# Altium PCB Barrier_PCB.PcbDoc (part 2 of 2)
Units mil, origin at the board's own origin, x right, y up, seen from the top; angles counter-clockwise.
Board outline 4803.15 x 3444.88 mil, 2 copper layers (Top Layer, Bottom Layer); 116 components, 115 nets, 498 pads, 127 vias.
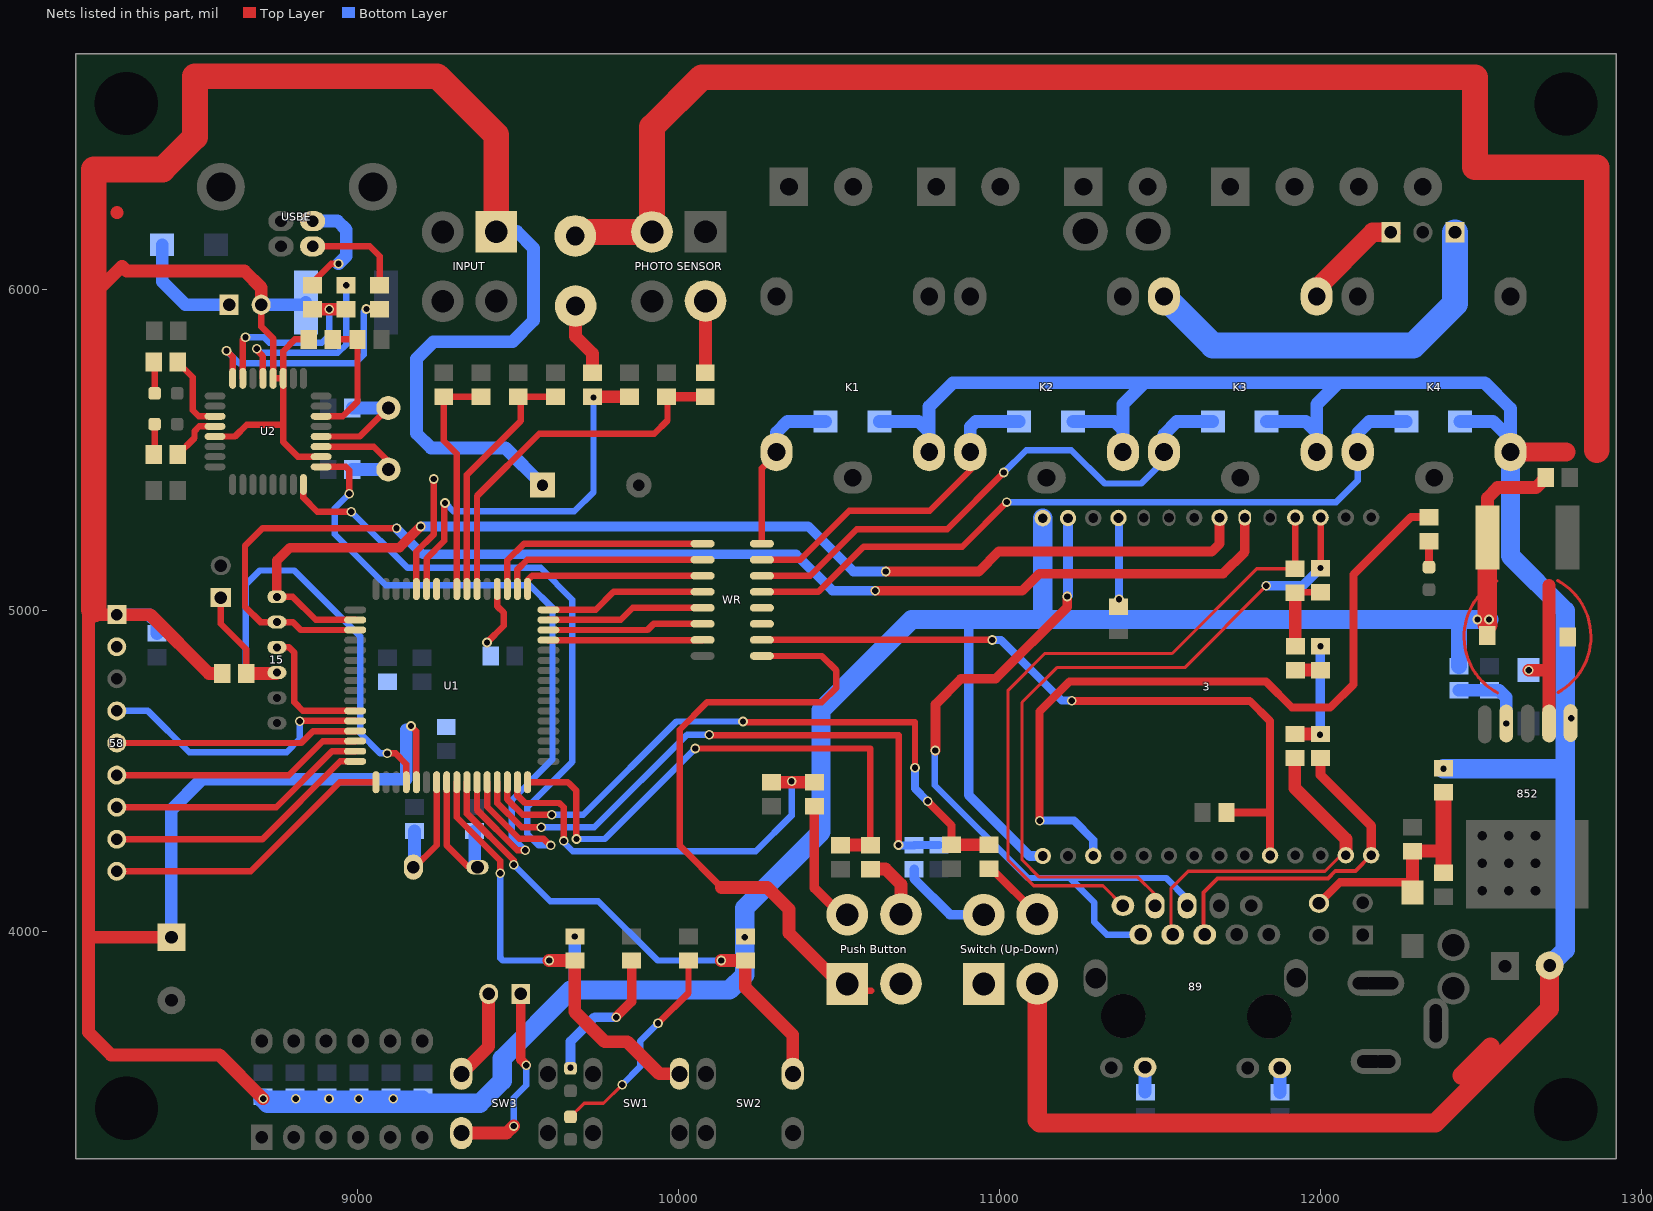
[diagram p2: the nets of this part, all layers, seen from the top]

## Via types
v1: diameter 30, hole 19.68, Top Layer to Bottom Layer, tented both sides, 127 vias

## Nets (pads, with @x,y where several pads share a name; then routed paths per layer and width w, separated by ;. In a path a pad name is that pad's centre, name@x,y a point inside that pad or via, vN(x,y) a via of type N, cw(c..) or ccw(c..) an arc to the next point about the centre after c; other vN are vias at no path point) (continued)
MSTR: G10.2 G12.1 U1.56 | length 735.8
  Top Layer w20: U1.56@9308.75,5066.18 9308.75,5487.25 9268.02,5527.98 G12.1@9268.02,5665.3 G10.2@9384.15,5665.3 G10.2@9387.82,5665.3
MSTU: G9.1 G13.1 U1.55 | length 788.4
  Top Layer w20: U1.55@9340.24,5066.18 9340.24,5422.24 9508,5590 G9.1@9508,5665.3 ; G9.1@9496.61,5665.3 G13.1@9616.4,5665.3
Net3_25: 3.25 POSWW.2 | length 254.1
  Bottom Layer w25: 3.25@11371.22,5287.51 11372.64,5286.09 v1(11372.64,5034.04)
Net6_1: 6.1 U2.5 | length 580.4
  Top Layer w20: v1(8685,5815) 8685,5811 8703.95,5792.05 8703.95,5723.21 U2.5@8704.62,5722.54
  Bottom Layer w20: v1(8685,5815) 8698,5802 8938,5802 8963.67,5827.67 v1(8963.67,6012.8)
Net6_2: 6.2 RF6.1 U2.7 | length 594.8
  Top Layer w20: U2.7@8641.63,5722.54 8641.63,5842.63 v1(8650,5851)
  Top Layer w40: RF6.1@8859.21,5938.2 6.2@8963.47,5938.2
  Bottom Layer w20: v1(8650,5851) 8707,5851 8724,5834 8888,5834 8911,5857 v1(8911,5938)
Net9f_K: 9f.k RF7.1 | length 92.4
  Top Layer w20: RF7.1@8366.72,5487.52 9f.k@8366.72,5579.95
Net17_1: 17.1 RED_LED.A | length 675.4
  Top Layer w10: RED_LED.A@9663,3420.65 9705.35,3463 9766,3463 v1(9824,3521)
  Top Layer w20: v1(9936,3712) 10030.84,3806.84 17.1@10030.84,3908.2
  Bottom Layer w20: v1(9824,3521) 9880,3577 9880,3656 v1(9936,3712)
Net19_1: 19.1 GREEN_LED.A | length 452.5
  Top Layer w30: v1(9805.39,3731.39) 9853.68,3779.68 19.1@9853.68,3908.2
  Bottom Layer w30: v1(9663.26,3573.84) 9663.26,3656.26 9738.39,3731.39 v1(9805.39,3731.39)
Net34_2: 34.2 89.14 | length 75.8
  Bottom Layer w40: 34.2@11875,3497.13 89.14@11875,3572.95
Net43_2: 43.2 89.12 | length 77
  Bottom Layer w40: 43.2@11454,3497.94 89.12@11454,3574.95
Net278D_2: 278D.2 C3f.2 U2.30 | length 403.4
  Top Layer w20: U2.30@8885.72,5604.43 8953.43,5604.43 8999.2,5650.2 C3f.2@8999.2,5844 278D.2@8922,5844
Net852_2: 852.2 D1-2.K I1-1.1 | length 492.9
  Top Layer w40: v1(12650,4813) 12712.6,4813 ; 852.2@12713.6,4646.74 12713.6,5077
Net852_4: 852.4 R1-1-1.2 R-1-1-2.2 | length 238.6
  Bottom Layer w40: R-1-1-2.2@12432,4750.67 R1-1-1.2@12527,4750.67 12557.33,4750.67 12579.8,4728.2 v1(12579.8,4646.74)
NetC1f_1: C1f.1 U2.27 Y2fD.2 | length 367.9
  Top Layer w20: U2.27@8885.72,5509.95 9050.05,5509.95 9095.33,5464.67 Y2fD.2@9095.33,5438.24
  Bottom Layer w40: C1f.1@8982.39,5438.55 9095.02,5438.55 Y2fD.2@9095.33,5438.24
NetC2f_2: C2f.2 U2.28 Y2fD.1 | length 359.1
  Top Layer w20: U2.28@8885.72,5541.44 9006.41,5541.44 Y2fD.1@9095.33,5630.36
  Bottom Layer w40: C2f.2@8982.7,5630.2 9095.17,5630.2 Y2fD.1@9095.33,5630.36
NetC93_1: C93.1 C94.1 | length 78.1
  Top Layer w40: C93.1@11922.48,4813.19 C94.1@12000.62,4813.19
NetC93_2: C93.2 PO.1 POS.1 | length 246.2
  Top Layer w20: PO.1@11921.93,5054.22 11923.14,5055.43 POS.1@12001.2,5055.43
  Top Layer w40: PO.1@11921.93,5054.22 11921.93,4888.55 C93.2@11922.48,4888
NetC94_2: C94.2 POS2.1 POS3.1 | length 355
  Top Layer w40: POS3.1@11920.84,4614.1 POS2.1@12000.71,4614.1
  Bottom Layer w30: v1@12000.62,4612.83 v1(12000.62,4888)
  other v1: 11999.24,4611.45
NetD18_K: D18.K fdcg3W7.1 | length 353.1
  Bottom Layer w40: D18.K@8390.34,6139 8390.34,6024.66 8463,5952 fdcg3W7.1@8599,5952
NetER_1: ER.1 WLANLED.A | length 81.2
  Top Layer w25: WLANLED.A@12339,5134.29 ER.1@12339,5215.49
Netfff_K: fff.k RF8.1 | length 94.5
  Top Layer w20: fff.k@8366.72,5675.95 RF8.1@8366.72,5770.48
NetH9_2: "Switch (Up-Down).2" H9.2 | length 292.5
  Bottom Layer w30: H9.2@10734.08,4192.11 10734.08,4162.92 10846,4051 10951,4051
NetH94_2: "Switch (Up-Down).4" H94.2 | length 208.7
  Top Layer w25: H94.2@10968.19,4194.25 10975.75,4194.25 11118,4052
"NetPush Button_2": "Push Button.2" R78.2 | length 392.2
  Top Layer w30: R78.2@10423.33,4389 10423.33,4133.67 10506,4051 10526,4051
"NetPush Button_4": "Push Button.4" R80.2 | length 207.8
  Top Layer w40: R80.2@10598.05,4192.97 10644.97,4192.97 10693,4144.94 10693,4052
NetRF5_1: RF5.1 U2.8 | length 735.4
  Top Layer w20: v1(8591,5809) 8610.13,5789.87 U2.8@8610.13,5722.54 ; v1(9027,5939) RF5.1@9067.33,5939
  Bottom Layer w20: v1(8591,5809) 8630,5770 8992,5770 9018,5796 9018,5930 v1(9027,5939)
NetRF7_2: RF7.2 U2.12 | length 164.7
  Top Layer w20: RF7.2@8439,5485 8491,5537 8491,5558 8505.94,5572.94 U2.12@8555.01,5572.94
NetRF8_2: RF8.2 U2.11 | length 246.2
  Top Layer w20: RF8.2@8439,5773 8486,5726 8486,5623 8504.57,5604.43 U2.11@8555.01,5604.43
PHOTO: "PHOTO SENSOR.2" G1.2 | length 222.9
  Top Layer w40: G1.2@10084,5741.13 10084,5964
PHS: G1.1 G2.2 U1.54 | length 1172.3
  Top Layer w20: U1.54@9371.74,5066.18 9371.74,5355.74 9566,5550 9923.91,5550 9965.45,5591.55 G2.2@9965.45,5665.3
  Top Layer w30: G2.2@9965.45,5665.3 G1.1@10083.02,5665.3
RD+: 3.13 89.4 POS3.2 | length 1094.5
  Top Layer w10: 89.4@11540,3988.95 11535,3993.95 11535,4133 11588,4186 12015,4186 3.13@12079.88,4250.88
  Top Layer w40: POS3.2@11920.59,4539.05 POS3.2@11920.84,4539.29 11920.84,4446.05 12079.88,4287 3.13@12079.88,4250.88
RD-: 3.14 89.6 POS2.2 | length 1069.3
  Top Layer w12: 89.6@11631,3992 11636,3997 11636,4120 11680,4164 12024,4164 12047,4187 12109.45,4187 3.14@12158.62,4236.17
  Top Layer w30: POS2.2@12000.71,4539.29 12000.71,4486.33 12158.62,4328.42 3.14@12158.62,4236.17
RF_D1: 58.4 U1.12 | length 868.1
  Top Layer w20: v1(8819.5,4653.4) 8820.87,4654.76 U1.12@8991.82,4654.76
  Bottom Layer w20: 58.4@8249,4686 8345.97,4686 8474.33,4557.65 8778.24,4557.65 8819.5,4598.91 v1(8819.5,4653.4)
RF_D2: 58.5 U1.13 | length 758.3
  Top Layer w20: 58.5@8249,4586 8823.67,4586 8860.94,4623.27 U1.13@8991.82,4623.27
RF_D3: 58.6 U1.14 | length 786.6
  Top Layer w20: 58.6@8249,4486 8785.35,4486 8891.12,4591.77 U1.14@8991.82,4591.77
RF_D4: 58.7 U1.15 | length 815
  Top Layer w20: 58.7@8249,4386 8745.46,4386 8919.73,4560.28 U1.15@8991.82,4560.28
RF_D5: 58.8 U1.16 | length 843.4
  Top Layer w20: 58.8@8249,4286 8703.05,4286 8945.82,4528.78 U1.16@8991.82,4528.78
RF_D6: 58.9 U1.17 | length 922.9
  Top Layer w20: 58.9@8249,4186 8666.1,4186 8943.92,4463.82 U1.17@9056.78,4463.82
RF_VT: 58.2
RFS1: fdcg3WW.2 SW3.1 | length 292.2
  Top Layer w40: SW3.1@9323,3555 9408,3640 fdcg3WW.2@9408,3812
RFS2: fdcg3WW.1 SW3.2 | length 615.3
  Top Layer w30: fdcg3WW.1@9508,3812 9508,3599 v1(9525,3582)
  Top Layer w40: SW3.2@9323,3370 9464,3370 v1(9486,3392)
  Bottom Layer w20: v1(9486,3392) 9486,3480 9525,3519 v1(9525,3582)
RST: 11.1 15.4 fdcg30.1 U1.20 | length 1727.1
  Top Layer w20: fdcg30.1@8573,5039 8573,4958 8652.35,4878.65 11.1@8652.35,4803.11 ; v1(9092.15,4553.52) 9117.94,4553.52 9151.27,4520.19 U1.20@9151.27,4463.82
  Top Layer w40: 11.1@8652.35,4803.11 8745.63,4803.11 15.4@8748,4805.48
  Bottom Layer w20: 15.4@8748,4805.48 8669.97,4805.48 8651.42,4824.02 8651.42,5080.41 8694.81,5123.8 8802.2,5123.8 9007.74,4918.26 9007.74,4616.28 9070.5,4553.52 v1(9092.15,4553.52)
RSTPC: fdcg3.1 K3.3 | length 1247.2
  Bottom Layer w80: K3.3@11513,5978 11666,5825 12290,5825 12420,5955 fdcg3.1@12420,6178
RSTPO: fdcg38.1 K3.2 | length 328.5
  Top Layer w60: K3.2@11989,5978 11989,6003 12164,6178 fdcg38.1@12220,6178
RXD1: U1.27 U2.25 | length 2198
  Top Layer w20: U2.25@8885.72,5446.95 8962.05,5446.95 8973,5436 v1(8973,5363) ; U1.27@9371.74,4463.82 9371.74,4377.2 9497.1,4251.83 v1(9522.17,4251.83)
  Bottom Layer w20: v1(8973,5363) 8928,5318 8928,5237 9087,5078 9536,5078 9607,5007 9607,4535 9480,4408 9480,4294.01 v1(9522.17,4251.83)
S9: G10u.2 GJIK.2 | length 229.7
  Top Layer w40: GJIK.2@9679,5947.96 9679,5853 9731.75,5800.25 G10u.2@9731.75,5740.11
S9S: G10u.1 G12fg.1 U1.59 | length 1201.8
  Top Layer w20: U1.59@9214.26,5066.18 9214.93,5066.85 9214.93,5160.93 9270,5216 v1@9270,5336
  Top Layer w40: G10u.1@9731.75,5665.3 G12fg.1@9847.1,5665.3
  Bottom Layer w20: v1(9272,5334) 9298,5308 9675,5308 9734.89,5367.89 v1(9734.89,5663)
SCK: 15.3 U1.11 | length 416.4
  Top Layer w20: 15.3@8748,4884.22 8785.57,4884.22 8802.52,4867.26 8802.52,4712.59 8828.85,4686.26 U1.11@8991.82,4686.26
SDW: H94.1 H107.2 U1.30 | length 2011
  Top Layer w20: U1.30@9466.23,4463.82 9466.23,4410.08 9513.92,4362.39 v1(9604.42,4362.39) ; v1@10200.96,4651.27 10736.85,4651.27 v1(10736.85,4509.11)
  Top Layer w25: v1(10776.46,4404.13) 10851.33,4329.26 H107.2@10851.33,4269.06
  Top Layer w40: H107.2@10851.33,4269.06 H94.1@10968.19,4269.06
  Bottom Layer w20: v1(9604.42,4362.39) 9703.01,4362.39 9993.61,4652.99 v1(10200.96,4652.99)
  Bottom Layer w25: v1(10736.85,4509.11) 10736.85,4443.74 v1(10776.46,4404.13)
SPB1: R78.1 R79.2 U1.31 | length 1338.7
  Top Layer w20: U1.31@9497.68,4485.78 9497.72,4485.73 U1.31@9497.72,4463.82 9497.72,4422.49 9521.21,4399.01 9628.31,4399.01 9641.64,4385.67 v1(9641.64,4280.79)
  Top Layer w40: R79.2@10289,4463.8 R78.1@10423.33,4463.8
  Bottom Layer w20: v1@9640.25,4278.6 9670.28,4248.57 10240.89,4248.57 10352.18,4359.86 v1(10352.18,4466.37)
SPB2: R80.1 R81.2 U1.32 | length 1737.9
  Top Layer w20: U1.32@9529.22,4463.82 9653.88,4463.82 ; 9656.6,4462.12 9681.64,4437.09 v1(9681.64,4286.76) ; v1(10052.09,4568.81) 10598.05,4568.81 R80.1@10598.05,4267.77
  Top Layer w40: R81.2@10504.82,4267.77 R80.1@10598.05,4267.77
  Bottom Layer w20: v1(9681.64,4286.76) 9770.04,4286.76 v1(10052.09,4568.81)
SUP: H9.1 H105.2 U1.29 | length 1944.1
  Top Layer w20: U1.29@9434.73,4463.82 9435.4,4463.15 9435.4,4398.39 9510.8,4322.98 v1(9571.78,4322.98) ; v1@10091.57,4610.81 10685.66,4610.81 v1(10685.66,4267.99)
  Bottom Layer w20: v1(9571.78,4322.98) 9569.52,4322.98 9569.46,4323.05 9737.51,4323.05 10026.46,4612 v1(10095.96,4612)
  Bottom Layer w25: v1(10685.66,4267.99) 10686.73,4266.91 H9.1@10734.08,4266.91 ; H9.1@10734.55,4267.38 H105.2@10811.03,4267.38
SW1: H7.1 SW1.2 U1.25 | length 1407.6
  Top Layer w20: U1.25@9308.75,4463.82 9308.75,4354.7 9444.57,4218.88 v1(9444.57,4179.58)
  Top Layer w40: v1(9596.55,3908.2) H7.1@9676.52,3908.2 9676.52,3748.48 9770,3655 9840,3655 9940,3555 SW1.2@10003,3555
  Bottom Layer w20: v1(9444.57,4179.58) 9444.57,3918.78 9445.8,3917.55 9443.97,3915.72 9451.5,3908.2 v1(9596.55,3908.2)
SW2: H8.1 SW2.2 U1.26 | length 1577.6
  Top Layer w20: U1.26@9340.24,4463.82 9340.24,4366.12 9486.09,4220.27 v1(9486.09,4206.6)
  Top Layer w40: v1(10132.99,3908.2) H8.1@10208,3908.2 10208,3824 10356,3676 SW2.2@10356,3555
  Bottom Layer w20: v1(9486.09,4206.6) 9599.69,4093 9750,4093 9934.8,3908.2 v1(10132.99,3908.2)
TD+: 3.18 89.1 PO.2 | length 2158.3
  Top Layer w10: 89.1@11385,4078.95 11322.95,4141 11107.19,4141 11026.92,4221.27 11026.92,4750.92 11141,4865 11538.4,4865 11802.42,5129.03 PO.2@11921.93,5129.03
  Top Layer w20: PO.2@11921.93,5129.03 11922.4,5129.49 3.18@11922.4,5288.78
TD-: 3.17 89.3 POS.2 | length 2247.7
  Top Layer w10: 89.3@11485,4078.95 11485,4114 11431,4168 11124.77,4168 11070.55,4222.22 11070.55,4712.55 11179.19,4821.19 11577.4,4821.19 v1(11831.97,5075.77)
  Top Layer w20: 3.17@12001.14,5288.96 12001.14,5130.29 POS.2@12001.2,5130.23
  Bottom Layer w30: v1(11831.97,5075.77) 11944.5,5075.77 11944.79,5075.48 v1(12001.01,5131.71)
TXD1: U1.28 U2.24 | length 2212.7
  Top Layer w20: U2.24@8830.6,5391.84 8830.6,5350.4 8874,5307 v1(8980,5307) ; U1.28@9403.24,4463.82 9403.91,4463.15 9403.91,4387.46 9503.38,4287.98 9578.93,4287.98 9600.1,4266.81 v1(9601.64,4266.81)
  Bottom Layer w20: v1(8980,5307) 9155,5132 9570,5132 9669,5033 9669,4527 9528,4386 9528,4303 9564.19,4266.81 v1(9601.64,4266.81)
ULI1: U1.51 WR.1 | length 719.1
  Top Layer w20: U1.51@9466.23,5066.18 9466.23,5155.23 9518.23,5207.23 WR.1@10074.76,5207.23
ULI2: U1.50 WR.2 | length 650.2
  Top Layer w20: U1.50@9497.72,5066.18 9497.72,5126.72 9528.23,5157.23 WR.2@10074.76,5157.23
ULI3: U1.49 WR.3 | length 578.4
  Top Layer w20: U1.49@9529.22,5066.18 9529.22,5093.22 9543.23,5107.23 WR.3@10074.76,5107.23
ULI4: U1.48 WR.4 | length 503.8
  Top Layer w20: U1.48@9594.18,5001.22 9741.33,5001.22 9797.34,5057.23 WR.4@10074.76,5057.23
ULI5: U1.47 WR.5 | length 496.1
  Top Layer w20: U1.47@9594.18,4969.72 9819.83,4969.72 9857.34,5007.23 WR.5@10074.76,5007.23
ULI6: U1.46 WR.6 | length 488.4
  Top Layer w20: U1.46@9594.18,4938.23 9903.06,4938.23 9922.07,4957.23 WR.6@10074.76,4957.23
ULO1: D1.A K1.4 WR.16 | length 547.7
  Top Layer w20: WR.16@10259.8,5207.23 10259.8,5442.8 K1.4@10319,5502
  Bottom Layer w40: K1.4@10305,5493 10305,5554 10339,5588 D1.A@10458.34,5588
ULO2: D2.A K2.4 WR.15 | length 1059.4
  Top Layer w20: WR.15@10259.8,5157.23 10379.23,5157.23 10532,5310 10783,5310 10909,5436 K2.4@10909,5493
  Bottom Layer w40: K2.4@10909,5493 10909,5571 10926,5588 D2.A@11061.67,5588
ULO3: D3.A K3.4 WR.14 | length 1738.5
  Top Layer w20: WR.14@10259.8,5107.23 10410.23,5107.23 10555,5252 10837,5252 v1(11014,5429)
  Bottom Layer w20: v1(11014,5429) 11084,5499 11224,5499 11328,5395 11442,5395 11513,5466 K3.4@11513,5493
  Bottom Layer w40: K3.4@11513,5493 11513,5548 11553,5588 D3.A@11665.01,5588
ULO4: D4.A K4.4 WR.13 | length 2315.1
  Top Layer w20: WR.13@10259.8,5057.23 10435.84,5057.23 10576.6,5198 10884,5198 v1(11023,5337)
  Bottom Layer w20: v1(11023,5337) 12050,5337 12117,5404 K4.4@12117,5493
  Bottom Layer w40: K4.4@12117,5493 12117,5552 12153,5588 D4.A@12268.34,5588
ULO5: WR.12
ULO6: WR.11
USBM: RF5.2 USBE.2 | length 311.7
  Top Layer w20: USBE.2@8859.21,6134 9037,6134 9068.13,6102.87 RF5.2@9068.13,6013
  Top Layer w40: USBE.2@8859.21,6134 USBE.2@8859.21,6134.06
USBP: RF6.2 USBE.3 | length 336.6
  Top Layer w20: RF6.2@8859.21,6022.21 8917,6080 v1(8940,6080)
  Bottom Layer w40: USBE.3@8859.21,6212.8 8937.2,6212.8 8964,6186 8964,6104 v1(8940,6080)
VCC+5V: 3.1 3.28 7.2 11.2 58.1 278D.1 B.1 C1.2 C4.2 C8f.2 C18.2 C87.2 C88.2 C89.2 fdcg3W7.2 H2.1 H3.1 H4.1 H5.1 H6.1 H7.2 H8.2 H10.1 I1-1.2 INPUT.1 R-1-1-2.1 U1.21 U1.52 U2.3 U2.4 U2.13 U2.26 | length 18472.9
  Top Layer w20: U2.13@8555.01,5541.44 8617.44,5541.44 8654,5578 8767.61,5578 ; fdcg3W7.2@8699,5952 8699,5884 8736.11,5846.89 U2.4@8736.11,5722.54 U2.3@8767.61,5722.54 ; 278D.1@8847.2,5844 8804,5844 8767.61,5807.61 U2.3@8767.61,5722.54 ; U2.26@8885.72,5478.45 8813.55,5478.45 8767.61,5524.39 8767.61,5578 ; v1(9166,4639) 9182.76,4622.24 U1.21@9182.76,4463.82 ; v1(9402.71,4899.16) 9454.57,4951.02 9454.57,4992.56 9435.4,5011.73 U1.52@9435.4,5065.51 ; 8767.61,5578 U2.3@8767.61,5722.54
  Top Layer w40: 8176.9,5478 8177.9,5477 ; 8176.9,5983.9 8265,6072 8280,6057 8647,6057 8699,6005 fdcg3W7.2@8699,5952 ; 8249,6239 8249.66,6239.66 ; C18.2@8419.29,3980.68 8160.35,3980.68 ; 11.2@8577.54,4803.11 8536.24,4803.11 8353.35,4986 58.1@8249,4986 8160.35,4986 8160.35,3980.68 ; v1(8705,3477) 8568,3614 8230.84,3614 8160.35,3684.49 8160.35,3980.68 ; C1.2@12521,5227 12521,5350 12553,5382 12672.2,5382 C4.2@12703.2,5413
  Top Layer w60: C1.2@12521,5227 12521,5070.99 12521,4956 12522,4955
  Top Layer w80: 8176.9,5001.38 8176.9,5478 8176.9,5983.9 8176.9,6373.6 8391.6,6373.6 8492.87,6474.87 8492.87,6664.74 9248.26,6664.74 9432,6481 INPUT.1@9432,6180
  Bottom Layer w30: 10903.97,4970.88 10903.97,4423.99 11094.15,4233.82 3.1@11135,4233.82
  Bottom Layer w40: 58.1@8249,4986 8350.35,4986 8374.64,4961.72 C89.2@8374.64,4927.77 ; C18.2@8418.4,3980.85 8418.4,4377.4 8513.83,4472.84 9151.03,4472.84 9151.03,4626.87 ; fdcg3W7.2@8699,5952 8831,5952 C8f.2@8838,5959 ; H10.1@8704.63,3483.49 H2.1@8804.3,3483.49 H3.1@8903.98,3483.49 H4.1@9003.65,3483.49 H5.1@9103.33,3483.49 H6.1@9203,3483.49 ; INPUT.1@9432,6180 9496,6180 9548,6128 9548,5903 9482,5837 9236,5837 9183,5784 9183,5551 9228,5506 9460,5506 B.1@9576,5390 ; 9664,3816 9676.52,3828.52 v1(9676.52,3983)
  Bottom Layer w50: R-1-1-2.1@12432,4825.47 12432,4962.88
  Bottom Layer w60: v1(8705,3477) 8719,3463 9380,3463 9450,3533 9450,3602 9664,3816 10158.83,3816 10206.46,3863.63 v1(10206.46,3981.01) 10206.46,4071.46 10444,4309 10444,4688.46 10726.42,4970.88 10903.97,4970.88 v1(12490,4970.88) v1(12526,4970.88) ; 11135,4980.97 3.28@11135,5286.97
  other v1: 8806.26,3477 8910.26,3477 9003.26,3477 9110.26,3477
VCC+12V: 78A.2 852.1 "PHOTO SENSOR.3" "Push Button.1" "Push Button.3" "Switch (Up-Down).1" "Switch (Up-Down).3" C5.2 D1.K D2.K D3.K D4.K GJIK.1 K1.1 K2.1 K3.1 K4.1 WR.9 | length 14671.5
  Top Layer w20: 10133.97,4135.69 10003.25,4266.41 10003.25,4627.77 10088.48,4713 10446.51,4713 10492,4758.49 10492,4811.78 10446.56,4857.23 WR.9@10259.8,4857.23 ; 10593,3814 10601,3814
  Top Layer w40: 10133.97,4135.69 10276.31,4135.69 10344,4068 10344,3994 10489,3849
  Top Layer w60: 11118,3836 11118,3409 11125.81,3401.19 12358.19,3401.19 12714.9,3757.9 C5.2@12714.9,3892.54 ; 12442,3550 12443,3550 12531,3638 ; K4.1@12593,5493 12766,5493
  Top Layer w80: GJIK.1@9677.94,6166.52 9690.43,6179 9917,6179 9917,6506 10072.08,6661.08 12482.42,6661.08 12482.42,6380.57 12862.34,6380.57 12862.34,5499
  Bottom Layer w40: D1.K@10625.66,5588 10748,5588 10781,5555 ; K1.1@10781,5493 10781,5555 ; D2.K@11228.99,5588 11359,5588 11385,5562 ; K2.1@11385,5493 11385,5562 ; D3.K@11832.33,5588 11955,5588 11989,5554 ; K3.1@11989,5493 11989,5554 ; D4.K@12435.66,5588 12539,5588 K4.1@12593,5534 ; K4.1@12593,5493 K4.1@12593,5534 ; 10781,5555 10781,5635 10855,5709 11452,5709 ; 11385,5562 11385,5642 11452,5709 ; 11452,5709 12056,5709 ; 11989,5554 11989,5642 12056,5709 ; 12056,5709 12513,5709 12593,5629 K4.1@12593,5534
  Bottom Layer w60: v1(12384,4506) 12757,4506 12764,4513 ; K4.1@12593,5493 12593,5169 12764,4998 12764,4513 ; C5.2@12714.9,3892.54 12764,3941.64 12764,4513
  other v1: 12782,4663
VCC+12VA: 78A.1 2323.1 C12.2 C13.2 D1-1.K | length 790.7
  Top Layer w25: 2323.1@11996.26,4086.28 12061.98,4152 12280.58,4152 D1-1.K@12287.74,4144.85
  Top Layer w40: D1-1.K@12287.6,4120.66 12287.74,4120.79 12287.74,4144.85 C12.2@12287.74,4248.94 12378,4248.94
  Top Layer w50: C13.2@12384,4181.8 78A.1@12384,4432.2
VCC-1.8V: 3.27 89.2 89.5 | length 2350.6
  Top Layer w30: v1@10800.61,4562.22 10800.61,4706.39 10880.47,4786.26 10988.26,4786.26 11211.86,5009.86 v1(11211.86,5042.72)
  Bottom Layer w20: v1@10803.09,4560.93 10798.52,4556.36 10798.52,4454.78 11088.15,4165.15 11219.85,4165.15 ; 89.2@11440,3988.95 11335.05,3988.95 11296,4028 11296,4089 11219.85,4165.15 ; 89.5@11585,4078.95 11585,4100 11519.85,4165.15 11219.85,4165.15
  Bottom Layer w30: v1(11211.86,5042.72) 11213.74,5044.6 3.27@11213.74,5287.15
  other v1: 10800.09,4562.81
VRT: U1.60 | length 365.3
  Top Layer w20: U1.60@9182.76,5066.18 9182.76,5181.76 9237,5236 v1(9237,5409)
VST: U1.58
W_RST: 3.10 35.2 WR.10 | length 2243.9
  Top Layer w20: WR.10@10259.8,4907.23 v1(10977.95,4907.23)
  Top Layer w25: v1@11225.03,4717.67 11780.2,4717.67 11843.66,4654.21 3.10@11843.66,4235.45 ; 35.2@11707.85,4369.72 11843.66,4369.72
  Top Layer w40: 3.10@11843.66,4235.45 3.10@11844.25,4236.04
  Bottom Layer w25: v1(10977.95,4907.23) 11005.26,4907.23 11194.3,4718.2 v1(11225.03,4718.2)
W_RX: 3.20 15.2 U1.3 | length 3939.2
  Top Layer w20: U1.3@8991.82,4938.23 8822.02,4938.23 8797.29,4962.96 15.2@8748,4962.96 8696.58,4962.96 8648.44,5011.1 8648.44,5200.44 8703,5255 v1(9121,5255)
  Top Layer w30: v1(10613.13,5060.82) 11071.67,5060.82 11124.72,5113.88 11697.1,5113.88 11764.92,5181.69 3.20@11764.92,5288.42
  Bottom Layer w30: v1(9121,5255) 9202,5174 10366,5174 10479.18,5060.82 v1(10613.13,5060.82)
W_TX: 3.21 15.1 U1.2 | length 3545.1
  Top Layer w20: 15.1@8748,5041.7 8796.79,5041.7 8868.77,4969.72 U1.2@8991.82,4969.72
  Top Layer w30: 15.1@8748,5041.7 8748,5155 8788.09,5195.09 9130.09,5195.09 v1(9196,5261) ; v1(10646.08,5120.66) 10935.71,5120.66 10997.81,5182.76 11662.21,5182.76 11686.18,5206.73 3.21@11686.18,5288.24
  Bottom Layer w30: v1(9196,5261) 10402.5,5261 10403.5,5262 10544.84,5120.66 v1(10646.08,5120.66)
WLANLED: 3.3 ER.2 | length 2314.4
  Top Layer w25: v1(11125.43,4344.09) 11125.43,4684.39 11218.31,4777.27 11831.43,4777.27 11912.69,4696 12030.96,4696 12103.52,4768.56 12103.52,5111.04 12282.78,5290.29 ER.2@12339,5290.29
  Bottom Layer w25: v1(11125.43,4344.09) 11232.09,4344.09 11292.48,4283.7 3.3@11292.48,4234.18
WRST: U1.45 WR.7 | length 480.1
  Top Layer w20: U1.45@9594.18,4906.73 WR.7@10074.26,4906.73
XTAL1: C10.1 U1.24 Y.1 | length 431.5
  Top Layer w20: U1.24@9277.25,4463.82 9277.25,4266.67 9341.92,4202 Y.1@9372,4202
  Bottom Layer w40: C10.1@9364.4,4311.7 9364.4,4209.6 Y.1@9372,4202
XTAL2: C9.1 U1.23 Y.2 | length 412.2
  Top Layer w20: Y.2@9172,4193.69 9245.76,4267.44 U1.23@9245.76,4463.82
  Bottom Layer w40: Y.2@9172,4202 9176.35,4206.35 C9.1@9176.35,4311.7
pads on no net: 3.6 3.7 3.8 3.9 3.11 3.12 3.15 3.16 3.19 3.22 3.24 3.26 15.5 89. 89.9 89.10 89.15 89.16 K1.3 K2.3 K4.3 SW1.1a SW1.2a SW2.1a SW2.2a SW3.1a SW3.2a U1.1 U1.4 U1.5 U1.6 U1.7 U1.8 U1.9 U1.10 U1.18 U1.19 U1.33 U1.34 U1.43 U1.57 U1.61 U1.62 U2.1 U2.2 U2.10 U2.15 U2.16 U2.18 U2.19 U2.20 U2.21 U2.22 U2.23 U2.32 USBE.5 USBE.6
copper on no net: | length 2621.8
  Top Layer w20: v1(8843,4763) 8920,4763 8933.75,4749.25 8991.82,4749.25 ; v1(8843,4831.5) 8910,4831.5 8922.24,4843.74 8991.82,4843.74 ; v1(8886,4728) 8896.24,4717.76 8991.82,4717.76 ; v1(8886,4796) 8925,4796 8941.24,4812.24 8991.82,4812.24 ; v1(8886,4864) cw(c8897.24,4864) 8897.24,4875.24 8991.82,4875.24 ; 8991.82,4906.73 v1@8849.73,4906.73 ; v1@8849.73,4906.73 ccw(c8849.73,4900) v1(8843,4900) cw(c8849.73,4900) v1@8849.73,4906.73
  Top Layer w60: 12531,3529 12682,3680
  Bottom Layer w60: 10305,5978 10305,5964 10448,5821 11034,5821 11138,5925 11138,6028 11003,6163 11003,6342
  Bottom Layer w80: 12268,3583 12390.89,3705.89 12396.59,3705.89

## Polygon pours and split planes (outlines as drawn)
GND on Top Layer "Top Layer-No Net" (solid, shelved, pour order 5): 8120.25,6735.13 8120.25,3290.25 12923.4,3290.25 12923.4,6735.13
GND on Bottom Layer "Top Layer-No Net" (hatched 90Degree grid 4 track 20, remove dead copper, pour order 21): 8151,4186 9513,4186 9513,4081 9513,3459 8468,3459 8466,3459 8466,3625 8466,3617 8143,3617
GND on Bottom Layer "Top Layer-No Net" (hatched 90Degree grid 4 track 20, pour order 17): 10305,5978 10299.41,5978 10299.41,5067 10299.41,5035 9149,5035 9151,5035 9151,5982
GND on Bottom Layer "Top Layer-No Net" (hatched 90Degree grid 4 track 20, pour order 13): 12288.37,4322.31 11027,4322.31 11027,5244 11027,5267 12884,5267 12884,4322 12885,4322
GND on Bottom Layer "Top Layer-No Net" (solid, shelved, pour order 6): 8120.25,6735.13 12923.4,6735.13 12921.69,6733.42 12921.69,3292.77 8122.77,3292.77 8120.25,3290.25

## Keep-outs
Keep-Out Layer:
  lines w10: 12411.59,6735.13 8632.06,6735.13 8592.69,6735.13 8120.25,6735.13 8120.25,3290.25 8592.69,3290.25 8632.06,3290.25 12411.59,3290.25 12450.96,3290.25 12923.4,3290.25 12923.4,6735.13 12450.96,6735.13

## Other copper
Top Layer:
  rectangle net VCC+12V: 12521,6355 12600,6704
  rectangle net VCC+5V: 8136.57,4952.21 8334.76,5044.41
  rectangle net GND: 9481.93,4650 9529.49,4877.06
  region net GND: 9515,4706 9515,4835 9165.78,4835 9165.78,4706
  rectangle net VCC+12V: 10443,3371 11184,3904
  rectangle net VCC+12V: 12695,5460 12852.57,6376.8
  rectangle net VCC+12V: 9677.94,6166.52 9956,6704
  rectangle net VCC+12V: 9677.94,6589 12521,6704
  rectangle net NetRF5_1: 9021,5924 9065,5954
  rectangle net VCC+5V: 8176.9,6036 8326,6373.6
  rectangle net VCC+12V: 12442,6259 12827,6396
  rectangle net VCC+12V: 12403,3307 12594,3590
  rectangle net VCC+12V: 10441,3307 12403,3419
  rectangle net VCC+12V: 12679,3614 12748,3936
  rectangle net VCC+12V: 12482,3614 12748,3734
  rectangle net VCC+12V: 12480,3508 12593,3734
  region net VCC+12V: 11078,3604 11276,3406 11276,3391 11150,3391 11146,3395
Bottom Layer:
  rectangle net GND: 12744.95,5267 12889,6364
  rectangle net GND: 8488.69,6450.24 12491.13,6679.73
  rectangle net GND: 10034.59,4833.69 10299.41,5067
  rectangle net VCC+5V: 9066.57,4611.56 9426.07,4659.39
  rectangle net VCC+5V: 9066.56,4615.59 9120.27,4797.16
  region net VCC+5V: 9426.49,4612.62 9426.49,4924.99 9377.74,4924.99 9377.74,4612.62
  rectangle net GND: 9195.71,4540.27 9532.27,4581.49
  rectangle net GND: 9478.92,4553.86 9532.26,5005.87
  rectangle net GND: 9131.41,4959.29 9532.25,5005.86
  rectangle net GND: 8132.41,3589.89 8189.71,6419
  rectangle net GND: 8132.4,3589.88 8510.22,3679.6
  rectangle net GND: 8424.97,3313.81 8510.27,3641.8
  rectangle net GND: 10210,3304.99 12577.69,3379
  rectangle net GND: 12837.24,3612.47 12913.39,6427.67
  rectangle net GND: 12354,3612.46 12913.38,3798.18
  rectangle net GND: 12072.84,3305.06 12593.78,3632.02
  rectangle net GND: 8488.69,6649.98 12525.51,6721.32
  rectangle net GND: 12438.11,6332.49 12525.51,6649.98
  rectangle net GND: 12438.11,6332.49 12913.39,6427.67
  rectangle net GND: 8424.97,3313.81 9273,3410
  rectangle net GND: 9587,3444 10261,3486
  rectangle net GND: 10154,3304.99 10261,3446
  rectangle net GND: 12742,5155 12868,5306
  rectangle net GND: 12274,4030 12682,4351
  rectangle net GND: 8883,5658 8934,5747
  region net GND: 8934,5712 8934,5748 8523,5748 8523,5712
  rectangle net VCC+12V: 10443,3752 11184,3901

## Silkscreen, mask and mechanical layers (free items; w line width, h text height)
Top Overlay:
  drawing of 10425 lines, arcs and shapes, not listed
  text "E" at 12011,7319 h150
  text "D" at 12247,7315 h150
  text "A" at 10383,7298 h150
  text "B" at 11678,7298 h150
  text "com" at 11927,7290 h150 r90
  text "www.zsp-group.com" at 11257,6110 h50 r270
  text "RST" at 8689,5028 h50 r90
  text "NMA.Co" at 8556.6,4153 h90
  text "RF_SW" at 9343,3870 h50
  text "SET_Connection" at 8680,3869 h50
  text "5" at 9092.85,3787.14 h60
  text "1" at 8690,3786.42 h60
  text "2" at 8790.72,3786.42 h60
  text "3" at 8891.43,3786.42 h60
  text "4" at 8992.14,3786.47 h60
  text "6" at 9193.56,3786.42 h60
  text "Sw3" at 9399,3620 h60
  text "Sw2" at 9793,3620 h60
  text "Sw1" at 10148,3620 h60
Mechanical 1:
  circle w10: c12765.92,6577.65 r88.58
  circle w10: c12765.92,3447.73 r88.58
  circle w10: c8277.73,3447.73 r88.58
  circle w10: c8277.73,6577.65 r88.58

## Text inside footprints (layer, text, board x,y; h text height)
3: Top Overlay "ANT" at 10888,5200 h40
15: Top Overlay "Prog" at 8800,5078 h39.37 r270
58: Top Overlay "led" at 8444,4231 h39.37 r90; Top Overlay "sw" at 8464,5136 h39.37 r180
C5: Top Overlay "+" at 12704,3798.54 h39.37
C18: Top Overlay "+" at 8399.61,4098.79 h51.18 r270